# KiCad board lakemountain.kicad_pcb (continued)
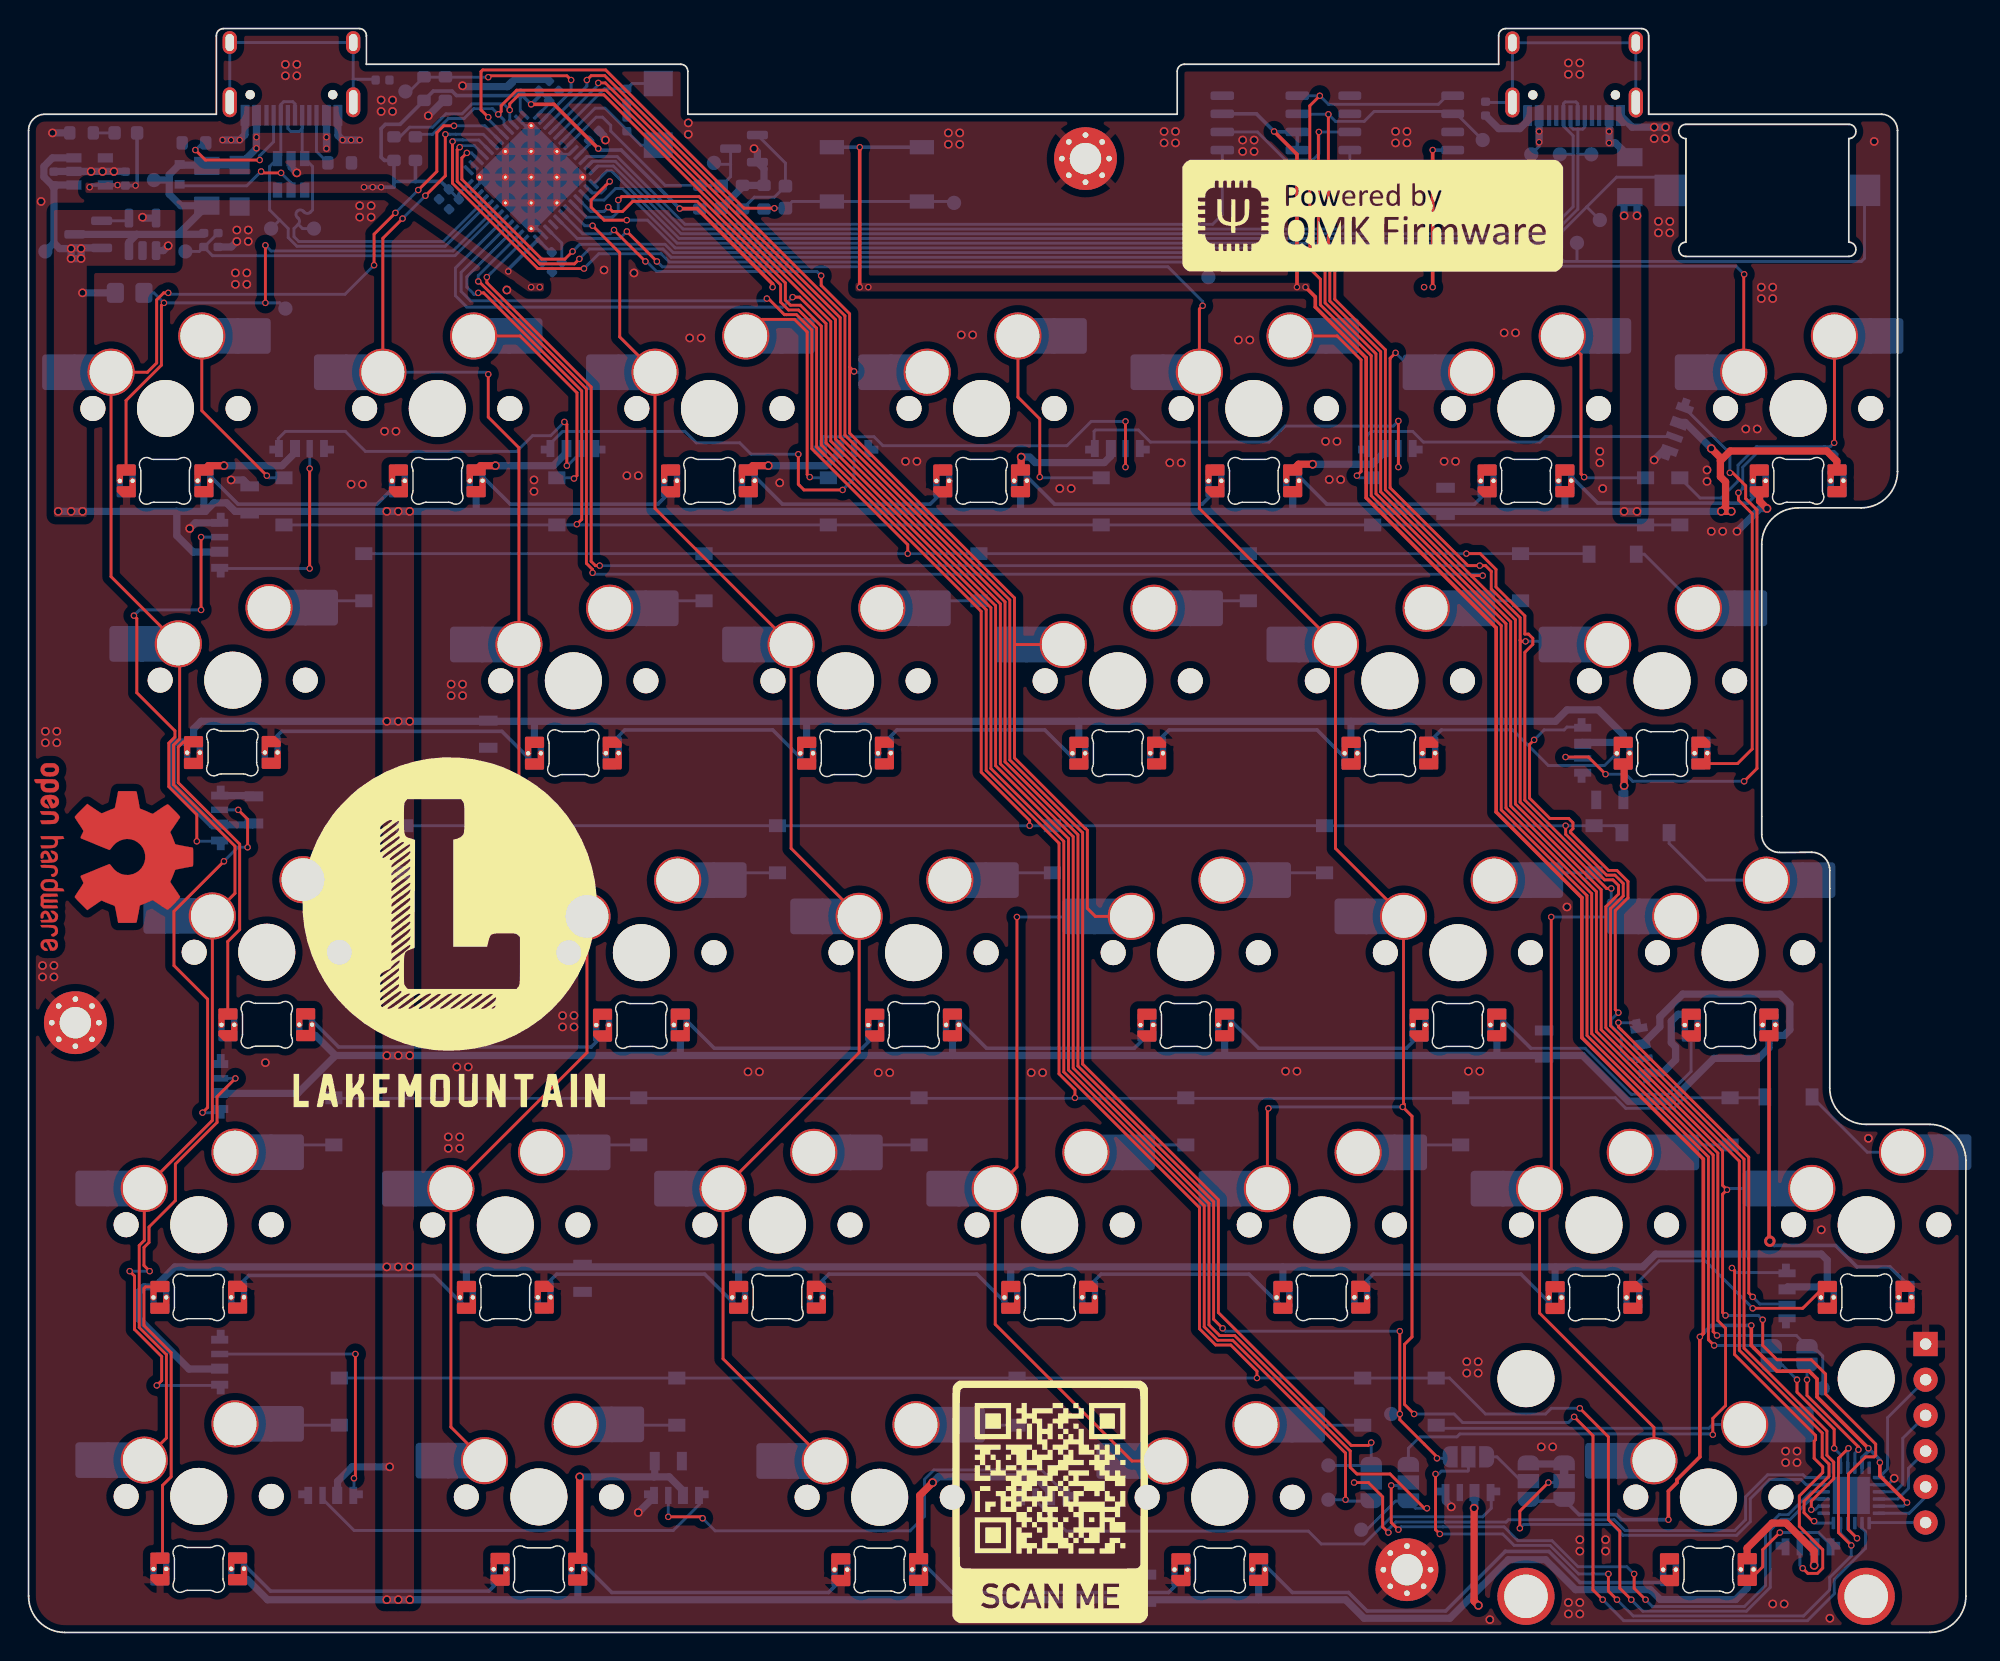
[diagram p0: board, top side]
## Routing (per net, layer and track width the routed paths; a pad name or vN(x,y) marks a point on that pad's centre or on a via; arc(x,y) is an arc through that point) (continued)
/USB_D+: length 29.2
  Bottom w0.203: J1.A6 18.15,105.3 18.35,105.09 18.95,105.09 19.15,105.3 J1.B6 19.15,103.37 U2.3 19.88,102.64 19.88,99.6 19.72,99.44 arc(19.51,99.35) 19.3,99.44 19.23,99.51 arc(19.02,99.6) 18.8,99.51 arc(18.72,99.3) 18.8,99.09 18.88,99.02 arc(18.96,98.81) 18.88,98.59 ; 18.88,98.59 18.57,98.29 18.57,97.73 18.92,97.39 29.02,97.39 31.86,100.23 U3.33 ; 18.88,98.59 19.18,98.29 T10.1
/USB_D-: length 28.5
  Bottom w0.203: 17.57,98.89 T9.1 ; 17.57,98.89 18.18,98.29 18.18,97.66 18.78,97.06 29.16,97.06 32.09,99.99 U3.32 ; 17.57,98.89 16.87,99.6 16.87,102.64 U2.1 17.65,103.42 J1.B7 17.65,106.97 17.86,107.18 18.49,107.18 18.65,107.02 J1.A7
/USB_VBUS: length 30.2
  Bottom w0.508: 10.47,97.89 10.48,97.89 12.27,97.89 ; 10.47,97.89 F1.1 10.66,99.89 9.84,100.71 9.84,101.76 ; 10.47,97.89 7.57,97.89 ; 7.57,97.89 7.02,97.34 U6.3 ; 7.57,97.89 Q2.3 ; 9.84,101.76 9.77,101.69 T22.1 ; 9.84,101.76 9.84,102.06 10.57,102.79 10.63,102.74 D2.1 v2(15.95,103.92) v2(15.95,104.69) J1.A4 ; J1.A9 v2(20.85,104.69) v2(20.85,103.89)
/USB_VBUS_IN_LINK: length 6.7
  Bottom w0.203: T23.1 105.72,104.04 v2(105.72,104.34)
  Bottom w0.508: J2.A9 v2(110.62,105.09) v2(110.62,104.29) 111.07,104.29 F2.1 ; J2.A4 v2(105.72,105.09) v2(105.72,104.34)
/VCAP_1: length 2.7
  Bottom w0.203: U3.22 37.32,97.28 C5.1
/x2: length 8.8
  Top w0.203: v2(124.47,17.69) 124.47,16.59 128.07,12.99 v2(128.07,12.79)
  Bottom w0.203: v2(124.47,17.69) JP1.1 ; U1.22 127.82,12.54 v2(128.07,12.79)
/x3: length 9.7
  Top w0.203: v2(123.78,17.69) 123.78,16.83 126.38,14.23 v2(126.38,12.89)
  Bottom w0.203: JP2.1 122.72,18.74 v2(123.78,17.69) ; U1.20 126.82,12.44 v2(126.38,12.89)
/x4: length 40.2
  Top w0.203: v2(95.17,6.99) 94.78,7.39 94.78,9.49 93.78,10.49 v2(92.78,10.49)
  Bottom w0.203: v2(95.17,6.99) 95.17,7.21 95.69,7.73 99.12,7.73 99.13,7.72 103.41,7.72 103.58,7.89 110.97,7.89 111.74,7.13 119.41,7.13 120.17,7.89 120.17,9.49 121.72,11.04 124.2,11.04 124.39,10.84 U1.18 ; v2(92.78,10.49) JP4.2
/x5: length 43
  Top w0.203: v2(95.38,10.29) 95.38,7.69 v2(95.88,7.19) ; v2(113.17,2.29) 112.38,3.09 v2(112.38,4.09)
  Bottom w0.203: v2(95.88,7.19) 96.08,7.4 98.99,7.4 98.99,7.39 103.28,7.39 104.24,6.42 106.63,6.42 108.45,4.6 111.87,4.6 v2(112.38,4.09) ; JP3.2 96.38,10.29 v2(95.38,10.29) ; v2(113.17,2.29) 113.65,1.82 120.1,1.82 121.57,3.29 121.57,7.29 122.53,8.25 123.16,8.25 124.76,9.84 U1.16
/z1: length 8.2
  Bottom w0.203: J3.2 130.11,15.03 130.11,11.44 U1.1
/z2: length 7.4
  Bottom w0.203: U1.3 130.62,9.84 131.17,10.39 131.17,13.59 J3.3
/z3: length 5.5
  Bottom w0.203: J3.4 131.57,11.49 131.57,10.09 130.82,9.34 U1.4
/z4: length 4.4
  Bottom w0.203: U1.6 131.62,8.34 132.78,9.49 J3.5
/z5: length 4
  Bottom w0.203: J3.6 128.86,7.69 U1.7
Net-(C2-Pad2): length 8.1
  Bottom w0.203: Q1.1 52.98,102.88 C2.2 52.2,100.49 50.8,100.49 R9.1
Net-(D1-Pad1): length 9.1
  Top w0.203: v2(16.27,102.29) 16.38,102.19 v2(17.68,102.19)
  Bottom w0.203: v2(16.27,102.29) 15.27,101.29 10.68,101.29 D1.1 ; U2.5 18.38,101.49 v2(17.68,102.19)
Net-(D3-Pad2): length 1.5
  Bottom w0.203: R11.1 D3.2
Net-(Da1-Pad2): length 12.9
  Top w0.203: v2(16.68,80.99) 12.12,85.55 SWa1.2
  Bottom w0.203: Da1.2 16.82,80.84 v2(16.68,80.99)
Net-(Da2-Pad2): length 16.2
  Top w0.203: SWa2.2 34.4,90.78 38.38,86.79 38.38,81 v2(38.18,80.79)
  Bottom w0.203: v2(38.18,80.79) 38.13,80.84 Da2.2
Net-(Da3-Pad2): length 16.7
  Top w0.203: SWa3.2 51.36,91.94 53.61,91.94 54.49,91.05 54.49,81.08 v2(54.68,80.89)
  Bottom w0.203: v2(54.68,80.89) 54.73,80.84 Da3.2
Net-(Da4-Pad2): length 14.8
  Top w0.203: v2(70.78,80.89) 70.78,84.97 69.25,86.5 SWa4.2
  Bottom w0.203: Da4.2 70.82,80.84 v2(70.78,80.89)
Net-(Da5-Pad2): length 15
  Top w0.203: v2(92.97,80.99) 93.26,81.28 93.26,89.1 91.59,90.78 SWa5.2
  Bottom w0.203: Da5.2 93.12,80.84 v2(92.97,80.99)
Net-(Da6-Pad2): length 14.8
  Top w0.203: SWa6.2 108.65,89.47 108.65,81.11 v2(108.88,80.89)
  Bottom w0.203: v2(108.88,80.89) 108.92,80.84 Da6.2
Net-(Da7-Pad2): length 21.1
  Top w0.203: SWa7.2 126.4,83.31 v2(126.38,83.29)
  Bottom w0.203: Da7.2 116.99,79.43 118.46,79.43 119.64,80.61 119.64,81.73 120.94,83.02 126.11,83.02 v2(126.38,83.29)
Net-(Db1-Pad2): length 3.3
  Bottom w0.203: Db1.2 20.86,72.23 SWb1.2
Net-(Db2-Pad2): length 3.3
  Bottom w0.203: SWb2.2 44.74,72.23 Db2.2
Net-(Db3-Pad2): length 3.5
  Bottom w0.203: SWb3.2 63.79,72.23 Db3.2
Net-(Db4-Pad2): length 3.3
  Bottom w0.203: Db4.2 82.84,72.23 SWb4.2
Net-(Db5-Pad2): length 3.3
  Bottom w0.203: SWb5.2 101.89,72.23 Db5.2
Net-(Db6-Pad2): length 5.9
  Bottom w0.203: Db6.2 113.09,75.49 SWb6.2
Net-(Dc1-Pad2): length 3.8
  Bottom w0.203: SWc1.2 23.24,53.18 Dc1.2
Net-(Dc2-Pad2): length 3.6
  Bottom w0.203: Dc2.2 49.49,53.18 SWc2.2
Net-(Dc3-Pad2): length 3.8
  Bottom w0.203: Dc3.2 68.54,53.18 SWc3.2
Net-(Dc4-Pad2): length 3.8
  Bottom w0.203: SWc4.2 87.59,53.18 Dc4.2
Net-(Dc5-Pad2): length 3.6
  Bottom w0.203: Dc5.2 106.64,53.18 SWc5.2
Net-(Dc6-Pad2): length 8.6
  Bottom w0.203: Dc6.2 114.82,55.24 117.39,52.68 SWc6.2
Net-(Dd1-Pad2): length 3.6
  Bottom w0.203: Dd1.2 18.51,34.13 SWd1.2
Net-(Dd2-Pad2): length 3.5
  Bottom w0.203: Dd2.2 39.98,34.13 SWd2.2
Net-(Dd3-Pad2): length 4
  Bottom w0.203: Dd3.2 59.03,34.13 SWd3.2
Net-(Dd4-Pad2): length 3.7
  Bottom w0.203: Dd4.2 78.08,34.13 SWd4.2
Net-(Dd5-Pad2): length 3.8
  Bottom w0.203: Dd5.2 97.13,34.13 SWd5.2
Net-(Dd6-Pad2): length 3.7
  Bottom w0.203: Dd6.2 116.18,34.13 SWd6.2
Net-(Dd7-Pad2): length 7.9
  Bottom w0.203: SWd7.2 128.69,33.63 Dd7.2
Net-(De1-Pad2): length 3.8
  Bottom w0.203: SWe1.2 18.09,14.51 De1.2
Net-(De2-Pad2): length 3.6
  Bottom w0.203: De2.2 41.87,14.51 SWe2.2
Net-(De3-Pad2): length 3.5
  Bottom w0.203: De3.2 65.69,14.51 SWe3.2
Net-(De4-Pad2): length 3.9
  Bottom w0.203: SWe4.2 89.49,14.51 De4.2
Net-(De6-Pad2): length 21.8
  Bottom w0.203: SWe6.2 117.87,14.56 117.61,14.29 98.74,14.29 De6.2
Net-(FB1-Pad1): length 18.6
  Bottom w0.203: J1.S1 22.72,108.75 ; 22.72,108.75 24.24,108.75 FB1.1 ; 22.72,108.75 J1.S1 J1.S1 J1.S1
Net-(FB2-Pad1): length 18.9
  Bottom w0.203: J2.S1 J2.S1 J2.S1 J2.S1 102.03,107.12 FB2.1
Net-(J1-PadA5): length 9.3
  Top w0.203: v2(11.68,103.79) 12.38,103.09 v2(16.18,103.09)
  Bottom w0.203: v2(16.18,103.09) 16.18,103.39 17.15,104.37 J1.A5 ; R1.2 12.18,104.29 v2(11.68,103.79)
Net-(J1-PadB5): length 3.7
  Bottom w0.203: J1.B5 20.15,103.69 R2.2
Net-(JP5-Pad2): length 29.6
  Top w0.203: v2(104.38,7.29) 104.38,8.49 v2(106.38,10.49)
  Bottom w0.203: v2(106.38,10.49) 107.38,10.49 JP5.2 ; U1.17 124.42,10.34 124.06,10.71 121.86,10.71 120.51,9.36 120.51,7.76 119.55,6.8 111.6,6.8 110.84,7.56 104.64,7.56 v2(104.38,7.29)
Net-(JP6-Pad2): length 3.6
  Bottom w0.203: JP6.2 104.47,10.59 102.78,12.29 JP7.1
Net-(JP7-Pad2): length 53.3
  Top w0.203: v2(111.17,2.29) 110.57,2.89 v2(110.57,4.09) ; v2(127.57,6.09) 126.67,6.99 126.67,12.19 v2(127.38,12.89) ; v2(98.47,11.09) 98.47,7.19 v2(98.78,6.89)
  Bottom w0.203: v2(110.57,4.09) 108.49,4.09 106.49,6.09 103.97,6.09 103.17,6.89 v2(98.78,6.89) ; U1.11 126.82,6.94 127.57,6.19 v2(127.57,6.09) 127.57,5.36 126.06,3.85 126.06,2.98 124.24,1.15 112.31,1.15 v2(111.17,2.29) ; v2(127.38,12.89) 127.32,12.84 U1.21 ; JP7.2 100.78,11.34 100.73,11.29 98.88,11.29 98.67,11.09 v2(98.47,11.09)
Net-(LEDa1-Pad2): length 15
  Bottom w0.25: 12.28,81.38 14.66,79 24.38,79 25.26,79.88 25.88,79.88
Net-(LEDa2-Pad2): length 15
  Bottom w0.25: 44.93,79.88 44.05,79 33.71,79 31.33,81.38
Net-(LEDa3-Pad2): length 15
  Bottom w0.25: 63.98,79.88 63.1,79 52.76,79 50.38,81.38
Net-(LEDa4-Pad2): length 15
  Bottom w0.25: 69.43,81.38 71.81,79 82.15,79 83.03,79.88
Net-(LEDa5-Pad2): length 15
  Bottom w0.25: 88.48,81.38 90.86,79 101.2,79 102.08,79.88
Net-(LEDa6-Pad2): length 14.9
  Bottom w0.25: 107.53,81.38 109.84,79.08 120.33,79.08 121.13,79.88
Net-(LEDb1-Pad3): length 19.7
  Bottom w0.25: 35.41,60.82 33.13,63.09 17.72,63.09 16.99,62.36
Net-(LEDb2-Pad3): length 14.9
  Bottom w0.25: 54.46,60.82 52.08,63.19 41.73,63.19 40.86,62.32
Net-(LEDb3-Pad3): length 14.9
  Bottom w0.25: 59.91,62.32 60.78,63.19 71.13,63.19 73.51,60.82
Net-(LEDb4-Pad3): length 14.9
  Bottom w0.25: 92.56,60.82 90.18,63.19 79.83,63.19 78.96,62.32
Net-(LEDb5-Pad3): length 14.9
  Bottom w0.203: 98.88,63.19 103.88,63.19 106.37,60.7 110.3,60.7 LEDb6.2
  Bottom w0.25: 98.88,63.19 98.01,62.32
Net-(LEDc1-Pad2): length 22.1
  Bottom w0.25: 19.4,43.3 21.7,40.99 39.38,40.99 40.17,41.78
Net-(LEDc2-Pad2): length 15
  Bottom w0.25: 45.62,43.28 48,40.9 58.34,40.9 59.22,41.78
Net-(LEDc3-Pad2): length 15
  Bottom w0.25: 78.27,41.78 77.39,40.9 67.05,40.9 64.67,43.28
Net-(LEDc4-Pad2): length 15
  Bottom w0.25: 97.32,41.78 96.44,40.9 86.1,40.9 83.72,43.28
Net-(LEDc5-Pad2): length 19.1
  Bottom w0.203: 105.15,40.9 108.95,40.9 112.17,37.68 114.76,37.68 116.36,39.28 LEDc6.3
  Bottom w0.25: 102.77,43.28 105.15,40.9
Net-(LEDd1-Pad3): length 17.3
  Bottom w0.25: 14.63,24.22 15.41,24.99 28.37,24.99 30.64,22.72
Net-(LEDd2-Pad3): length 14.9
  Bottom w0.25: 36.09,24.22 36.96,25.09 47.32,25.09 49.69,22.72
Net-(LEDd3-Pad3): length 14.9
  Bottom w0.25: 55.14,24.22 56.02,25.09 66.37,25.09 68.74,22.72
Net-(LEDd4-Pad3): length 14.9
  Bottom w0.25: 87.79,22.72 85.42,25.09 75.06,25.09 74.19,24.22
Net-(LEDd5-Pad3): length 14.9
  Bottom w0.25: 93.24,24.22 94.11,25.09 104.46,25.09 106.84,22.7
Net-(LEDd6-Pad3): length 16.3
  Top w0.203: LEDd7.2 125.68,24.2 124.17,22.69 v2(120.67,22.69)
  Bottom w0.203: v2(120.67,22.69) 117.35,26.02 114.12,26.02 LEDd6.3
Net-(LEDe1-Pad2): length 19.6
  Bottom w0.25: 32.99,3.67 32.21,2.89 16.94,2.89 14.63,5.2
Net-(LEDe2-Pad2): length 19.7
  Bottom w0.25: 38.44,5.17 40.82,2.8 55.99,2.8 56.85,3.65
Net-(LEDe3-Pad2): length 19.7
  Bottom w0.25: 80.65,3.65 79.79,2.8 64.65,2.8 62.3,5.15
Net-(LEDe4-Pad2): length 33
  Bottom w0.25: 114.85,3.65 114.69,3.49 108.59,3.49 106.41,5.67 103.34,5.67 ; 103.38,5.69 99.18,1.5 93.68,1.5 92.39,2.8 88.45,2.8 86.1,5.15
Net-(LEDe5-Pad2): length 8.3
  Top w0.203: LEDe5.2 120.45,3.67 121.38,4.59 121.38,5.79 v2(122.57,6.99)
  Bottom w0.203: v2(122.57,6.99) 125.28,6.99 LEDs18.3
Net-(LEDs1-Pad3): length 32.4
  Top w0.203: v2(119.22,25.52) 119.41,25.33 119.41,19.46 125.07,13.79 125.07,13.49 124.97,13.39 124.97,12.19 125.57,11.59 125.57,11.19 123.94,9.56 123.94,7.43 125.57,5.79 125.57,4.5 125.21,4.14 124.53,4.14 v2(124.17,4.49)
  Bottom w0.203: v2(124.17,4.49) 123.97,4.69 LEDs18.2 ; v2(119.22,25.52) 119.54,25.19 LEDs1.3
Net-(LEDs2-Pad2): length 32.4
  Top w0.203: v2(111.28,43.39) 111.06,43.61 111.06,50.54 111.94,51.43 111.94,52.58 111.17,53.35 110.58,53.35 107.91,56.02 107.91,56.1 108.09,56.27 108.09,56.7 107.79,56.99 106.48,56.99 105.06,58.41 105.06,62.18 v2(105.38,62.49)
  Bottom w0.203: v2(111.28,43.39) 111.26,43.39 110.77,42.9 110.77,42.48 111.47,41.78 111.47,40.69 112.02,40.15 LEDs2.2 ; LEDs3.3 107.67,63.39 107.47,63.19 106.07,63.19 v2(105.38,62.49)
Net-(LEDs2-Pad3): length 27.1
  Top w0.203: v2(120.67,23.49) 120.4,23.77 120.4,33.27 111.28,42.4 v2(111.28,42.69)
  Bottom w0.203: v2(120.67,23.49) 121.17,22.99 LEDs1.2 ; v2(111.28,42.69) 112.23,42.69 LEDs2.3
Net-(LEDs3-Pad2): length 43.2
  Top w0.203: v2(110.38,60.09) 109.17,61.29 v2(107.57,61.29) ; v2(119.07,81.19) 119.28,81.19 120.18,80.29 120.18,79.39 120.97,78.6 120.97,60.49 v2(120.07,59.59)
  Bottom w0.203: v2(119.07,81.19) 119.07,82.57 LEDs4.3 ; v2(110.38,60.09) 111.78,60.09 112.28,59.59 v2(120.07,59.59) ; LEDs3.2 107.67,61.19 v2(107.57,61.29)
Net-(LEDs4-Pad2): length 23
  Bottom w0.203: LEDs4.2 106.16,83.73 105.78,83.35 97.62,83.35 96.88,84.09 93.97,84.09 93.67,83.79 LEDs5.3
Net-(LEDs5-Pad2): length 28
  Top w0.203: v2(95.88,81.59) v2(95.88,84.82)
  Bottom w0.203: v2(95.88,84.82) 95.52,84.47 87.95,84.47 86.83,83.35 78.52,83.35 77.67,84.19 74.67,84.19 74.57,84.09 LEDs6.3 ; LEDs5.2 v2(95.88,81.59)
Net-(LEDs6-Pad2): length 27.5
  Top w0.203: v2(76.78,81.59) v2(76.78,84.79)
  Bottom w0.203: v2(76.78,84.79) 74.38,84.79 72.67,83.09 59.8,83.09 59.17,83.72 55.6,83.72 55.57,83.69 LEDs7.3 ; LEDs6.2 v2(76.78,81.59)
Net-(LEDs7-Pad2): length 27.3
  Top w0.203: v2(53.88,82.49) 53.88,80.39 54.27,79.99 v2(56.98,79.99)
  Bottom w0.203: LEDs7.2 57.77,80.79 v2(56.98,79.99) ; LEDs8.3 36.48,83.19 37.38,84.09 45.93,84.09 46.73,83.29 49.77,83.29 50.57,82.49 v2(53.88,82.49)
Net-(LEDs8-Pad2): length 27.1
  Top w0.203: v2(37.5,84.76) 37.68,84.58 v2(37.68,81.69)
  Bottom w0.203: LEDs9.3 17.48,83.59 17.98,84.09 22.18,84.09 23.57,82.69 34.18,82.69 35.27,83.79 36.54,83.79 v2(37.5,84.76) ; LEDs8.2 38.68,82.65 37.72,81.69 v2(37.68,81.69)
Net-(LEDs10-Pad3): length 14.5
  Top w0.203: v2(19.68,81.49) v2(19.68,74.49)
  Bottom w0.203: LEDs9.2 v2(19.68,81.49) ; v2(19.68,74.49) LEDs10.3
Net-(LEDs11-Pad2): length 27.7
  Top w0.203: v2(12.18,36.39) 12.53,36.75 12.53,44.34 10.18,46.69 10.18,50.49 v2(13.68,53.99) ; v2(14.68,57.59) 15.33,56.94 v2(15.33,54.97)
  Bottom w0.203: LEDs12.3 13.27,36.39 v2(12.18,36.39) ; LEDs11.2 v2(14.68,57.59) ; v2(15.33,54.97) 14.65,54.97 v2(13.68,53.99)
Net-(LEDs11-Pad3): length 31
  Top w0.203: v2(11.77,55.39) 11.77,57.26 9.81,59.22 9.81,62.27 10.24,62.7 10.24,63.12 7.57,65.79 7.57,70.99 v2(7.38,71.19) ; v2(12.07,76.69) v2(12.07,71.59)
  Bottom w0.203: LEDs10.2 v2(12.07,76.69) ; v2(11.77,55.39) LEDs11.3 ; v2(12.07,71.59) 7.77,71.59 v2(7.38,71.19)
Net-(LEDs12-Pad2): length 32.3
  Top w0.203: v2(14.48,38.79) 13.19,37.51 13.19,35.71 10.27,32.79 10.27,30.23 8.43,28.39 8.43,27.31 8.07,26.95 8.07,25.69 v2(8.48,25.29) ; v2(8.98,17.29) 9.32,17.64 9.32,19.32 7.41,21.22 7.41,24.95 v2(7.07,25.29)
  Bottom w0.203: v2(8.98,17.29) LEDs13.3 ; LEDs12.2 v2(14.48,38.79) ; v2(8.48,25.29) v2(7.07,25.29)
Net-(LEDs13-Pad2): length 19.2
  Top w0.203: v2(22.77,10.79) 22.88,10.89 v2(22.88,19.49)
  Bottom w0.203: v2(22.77,10.79) LEDs14.3 ; LEDs13.2 v2(22.88,19.49)
Net-(LEDs14-Pad2): length 29.1
  Bottom w0.203: LEDs14.2 20.57,9.35 22.78,7.14 45.12,7.14 46.98,8.99 LEDs15.3
Net-(LEDs15-Pad2): length 33.9
  Top w0.203: v2(44.77,8.09) 47.07,8.09 v2(47.18,7.99)
  Bottom w0.203: LEDs15.2 v2(44.77,8.09) ; v2(47.18,7.99) 48.05,7.11 61.7,7.11 62.72,8.14 62.72,10.73 63.37,11.38 70.89,11.38 LEDs16.3
Net-(LEDs16-Pad2): length 35.7
  Bottom w0.203: LEDs17.3 102.38,8.69 101.78,8.09 95.38,8.09 93.47,6.19 90.47,6.19 89.57,7.09 72.63,7.09 70.47,9.25 LEDs16.2
Net-(Q2-Pad1): length 2
  Bottom w0.203: Q2.1 6.84,98.84 U6.4
unconnected-(LEDb6-Pad3): length 32.5
  Top w0.203: v2(119.67,79.79) 119.67,79.29 120.64,78.33 120.64,61.86 119.62,60.84 LEDb6.3
  Bottom w0.203: 126.59,81.37 126.57,81.38 126.57,82.49 126.38,82.69 121.07,82.69 119.97,81.59 119.97,80.09 v2(119.67,79.79)
unconnected-(LEDc1-Pad3): length 22
  Top w0.203: LEDc1.3 13.94,48.37 14.77,49.21 14.77,55.19 10.48,59.49 10.48,61.99 10.82,62.34 11.53,62.34
unconnected-(LEDc6-Pad2): length 25.4
  Top w0.25: v3(121.88,27.39) 121.82,27.45 121.82,41.78
  Bottom w0.25: 131.34,24.22 131.34,24.53 130.28,25.59 127.97,25.59 126.47,27.09 122.17,27.09 v3(121.88,27.39)
unconnected-(LEDe1-Pad3): length 21.2
  Top w0.203: 9.18,24.2 9.18,24.19 8.18,24.19 8.07,24.09 8.07,21.49 9.98,19.59 9.98,10.9 9.38,10.29 9.38,5.37 LEDe1.3

## Copper pours and planes (outline as drawn; the poured copper is in the pictures)
+3.3V on Top: 25.07,100.79 3.98,100.79 3.98,101.59 25.07,101.59
+3.3V on Top: 57.88,93.89 89.67,93.89 89.67,94.49 57.88,94.49
+3.3V on Top: 35.18,94.49 36.07,94.49 36.07,93.89 34.98,93.89 25.07,100.79 25.07,101.59
+3.3V on Bottom: 98.57,93.89 88.47,93.89 88.47,94.49 98.57,94.49
+3.3V on Bottom: 59.07,93.89 34.88,93.89 34.88,94.49 59.07,94.49
+5V on Top: 10.27,95.69 1.77,95.69 1.77,99.59 10.27,99.59
+5V on Top: 26.98,1.99 24.77,1.99 24.77,78.79 26.98,78.79
+5V on Top: 4.07,78.09 1.77,78.09 1.77,97.29 4.07,97.29
+5V on Top: 112.88,78.09 111.38,78.09 111.38,99.49 112.88,99.49
GND on Top: 158.28,120.09 158.28,-12.91 -17.12,-12.01 -17.12,120.69
GND on Bottom: 158.47,-13.51 -16.73,-12.01 -17.12,120.29 158.47,120.09
/USB_VBUS on Top: 21.18,103.59 15.68,103.59 15.68,104.99 21.18,104.99
/USB_VBUS_IN_LINK on Top: 110.97,103.99 105.47,103.99 105.47,105.39 110.97,105.39
